# KiCad board pcb.kicad_pcb (continued)
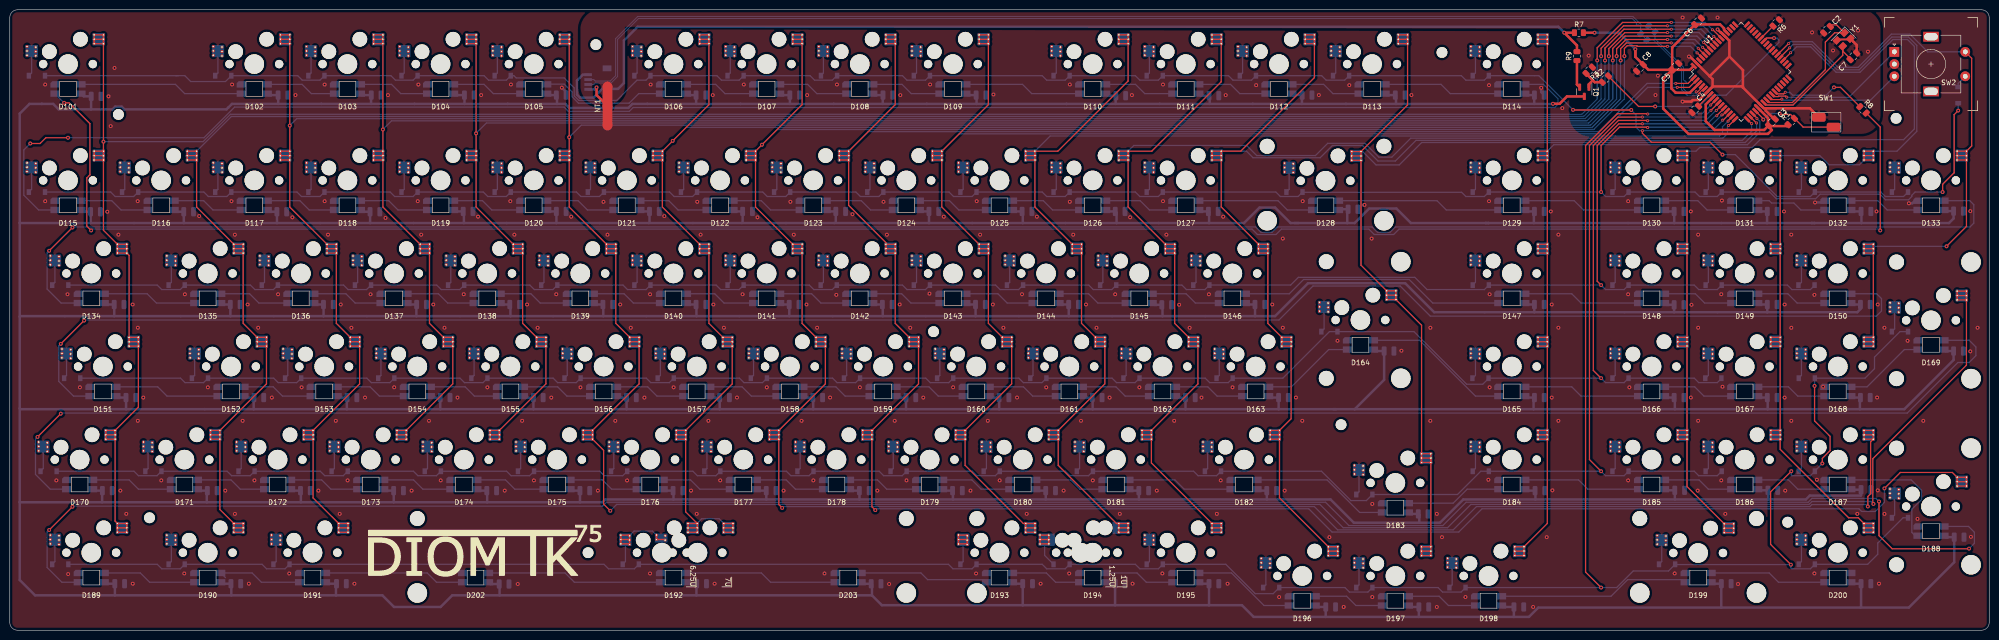
[diagram p0: board, top side]
## Routing (per net, layer and track width the routed paths; a pad name or vN(x,y) marks a point on that pad's centre or on a via; arc(x,y) is an arc through that point) (continued)
ROW1: length 460.2
  Top w0.254: v1(395.29,89.69) 395.29,91.28 397.64,93.63 397.64,105.54 v1(398.46,106.36) ; v2(350.14,105.47) 350.34,105.47 U1.13 ; v2(334.95,102.89) 334.88,102.97 329.19,102.97 325.44,99.22 v1(325.44,89.69)
  Bottom w0.254: v1(398.46,106.36) D201.1 ; v2(334.95,102.89) 335.02,102.96 347.63,102.96 v2(350.14,105.47) ; D15.1 20.64,89.69 21.55,88.78 25.34,88.78 D16.1 39.69,89.69 40.6,88.78 44.39,88.78 D17.1 58.74,89.69 59.65,88.78 63.44,88.78 D18.1 77.79,89.69 78.7,88.78 82.49,88.78 D19.1 96.84,89.69 97.75,88.78 101.54,88.78 D20.1 115.89,89.69 116.8,88.78 120.59,88.78 D21.1 134.94,89.69 135.85,88.78 139.64,88.78 D22.1 153.99,89.69 154.9,88.78 158.69,88.78 D23.1 173.04,89.69 173.95,88.78 177.74,88.78 D24.1 192.09,89.69 193,88.78 196.79,88.78 D25.1 211.14,89.69 212.05,88.78 215.84,88.78 D26.1 230.19,89.69 231.1,88.78 234.89,88.78 D27.1 258.92,89.69 259.84,88.78 263.46,88.78 D28.1 264.44,89.64 296.92,89.64 297.78,88.78 301.56,88.78 D29.1 v1(325.44,89.69) 326.35,88.78 330.14,88.78 D30.1 344.65,89.69 345.56,88.78 349.19,88.78 D31.1 359.9,89.69 361.26,88.33 369.32,88.33 370.24,89.25 382.46,89.25 383.61,88.11 388.3,88.11 388.97,88.78 388.97,89.02 389.65,89.69 v1(395.29,89.69)
ROW2: length 428.7
  Top w0.254: U1.12 349.1,105.36 v2(349.1,105.31) ; v2(333.88,103.66) 333.88,103.66 329.08,103.66 324.64,99.22 324.64,71.44 v1(325.44,70.64)
  Bottom w0.254: 369.16,70.64 368.24,69.73 364.45,69.73 363.54,70.64 D49.1 349.19,69.73 345.4,69.73 344.49,70.64 D48.1 330.14,69.73 326.35,69.73 v1(325.44,70.64) D47.1 301.56,69.73 289.84,69.73 287.34,72.23 263.53,72.23 261.95,70.65 245.34,70.65 D46.1 244.41,69.73 240.63,69.73 239.71,70.64 D45.1 225.36,69.73 221.58,69.73 220.66,70.64 D44.1 206.31,69.73 202.53,69.73 201.61,70.64 D43.1 187.26,69.73 183.48,69.73 182.56,70.64 D42.1 168.21,69.73 164.43,69.73 163.51,70.64 D41.1 149.16,69.73 145.38,69.73 144.46,70.64 D40.1 130.11,69.73 126.33,69.73 125.41,70.64 D39.1 111.06,69.73 107.28,69.73 106.36,70.64 D38.1 92.01,69.73 88.23,69.73 87.31,70.64 D37.1 72.96,69.73 69.18,69.73 68.26,70.64 D36.1 53.91,69.73 50.13,69.73 49.21,70.64 D35.1 34.86,69.73 31.08,69.73 30.16,70.64 D34.1 ; v2(349.1,105.31) 348.84,105.31 347.18,103.66 v2(333.88,103.66)
ROW3: length 433.3
  Top w0.254: v1(325.44,51.59) 323.85,53.18 323.85,99.22 328.98,104.35 334.88,104.35 v2(334.95,104.27) ; U1.11 349.02,106.41 v2(349,106.41)
  Bottom w0.254: 350.11,51.59 349.19,50.68 345.4,50.68 344.49,51.59 D66.1 330.14,50.68 326.35,50.68 v1(325.44,51.59) 302.48,51.59 301.24,50.35 297.94,50.35 287.17,61.12 D64.1 269.88,61.12 260.35,51.59 D63.1 249.18,50.68 245.39,50.68 244.48,51.59 D62.1 230.13,50.68 226.34,50.68 225.43,51.59 D61.1 211.08,50.68 207.29,50.68 206.38,51.59 D60.1 192.03,50.68 188.24,50.68 187.33,51.59 D59.1 172.98,50.68 169.19,50.68 168.28,51.59 D58.1 153.93,50.68 150.14,50.68 149.23,51.59 D57.1 134.88,50.68 131.09,50.68 130.18,51.59 D56.1 115.83,50.68 112.04,50.68 111.13,51.59 D55.1 96.78,50.68 92.99,50.68 92.08,51.59 D54.1 77.73,50.68 73.94,50.68 73.03,51.59 D53.1 58.68,50.68 54.89,50.68 53.98,51.59 D52.1 39.63,50.68 35.84,50.68 34.93,51.59 14.35,51.59 ; v2(334.95,104.27) 335.03,104.35 346.85,104.35 348.92,106.41 v2(349,106.41)
ROW4: length 453.9
  Top w0.254: v2(333.88,105.04) 328.87,105.04 323.06,99.22 323.06,34.93 v1(325.44,32.54) ; v2(347.9,106.41) 347.9,106.43 U1.10
  Bottom w0.254: D86.1 349.19,31.63 345.4,31.63 344.49,32.54 D85.1 330.14,31.63 326.35,31.63 v1(325.44,32.54) D84.1 300.83,32.54 296.07,27.78 D83.1 277.42,26.54 274.26,26.54 268.26,32.54 D82.1 246.8,31.63 243.01,31.63 242.09,32.54 D81.1 220.6,31.63 216.82,31.63 215.9,32.54 D80.1 201.55,31.63 197.77,31.63 196.85,32.54 D79.1 182.5,31.63 178.72,31.63 177.8,32.54 D78.1 163.45,31.63 159.75,31.63 158.83,32.54 D77.1 144.4,31.63 140.62,31.63 139.7,32.54 D76.1 125.35,31.63 121.57,31.63 120.65,32.54 D75.1 106.3,31.63 102.52,31.63 101.6,32.54 D74.1 87.25,31.63 83.47,31.63 82.55,32.54 D73.1 68.2,31.63 64.42,31.63 63.5,32.54 D72.1 49.15,31.63 45.37,31.63 44.45,32.54 D71.1 30.1,31.63 26.32,31.63 25.4,32.54 D70.1 ; v2(347.9,106.41) 346.52,105.04 v2(333.88,105.04)
ROW5: length 590.8
  Top w0.254: v2(334.95,105.65) 334.88,105.73 328.77,105.73 322.26,99.22 322.26,11.91 v1(325.44,8.73) ; v2(347.85,107.51) 347.85,107.51 U1.9 ; v1(369.09,50.01) 369.09,42.86 372.27,39.69 372.27,36.77 370.68,35.19 v1(370.68,34.13) ; v1(364.33,32.54) 360.1,28.31 360.1,17.57 v1(364.25,13.41)
  Bottom w0.254: D89.1 30.16,13.49 31.08,12.58 34.86,12.58 D90.1 51.59,13.49 52.51,12.58 56.3,12.58 D91.1 121.52,13.49 122.44,12.58 127.73,12.58 D92.1 191.96,13.49 192.88,12.58 196.79,12.58 D93.1 211.14,13.49 212.05,12.58 215.84,12.58 D94.1 230.19,13.49 231.1,12.58 234.89,12.58 D95.1 248.69,13.49 254.7,7.49 258.37,7.49 D96.1 273.05,8.73 273.97,7.81 277.75,7.81 D97.1 292.1,8.73 293.02,7.81 296.8,7.81 D98.1 v1(325.44,8.73) 328.61,8.73 332.01,12.13 339.22,12.13 D99.1 340.64,13.44 364.23,13.44 v1(364.25,13.41) 364.25,12.78 364.45,12.58 368.24,12.58 D100.1 379.95,13.49 382.02,15.56 382.02,17.84 387.19,23.02 D88.1 ; v2(347.85,107.51) 346.08,105.73 335.02,105.73 v2(334.95,105.65) ; D69.1 386.56,61.12 381.35,55.91 381.35,53.53 379.41,51.59 D68.1 369.09,51.53 v1(369.09,50.01) ; v1(370.68,34.13) 369.16,32.61 D87.1 368.24,31.63 364.45,31.63 364.33,31.75 v1(364.33,32.54)
Net-(C2-Pad1): length 29.1
  Top w0.25: C2.1 372.63,123.91 373.59,123.91 Y1.1 373.21,122.29 371.3,120.38 371.3,114.74 364.57,108.01 359.8,108.01 U1.24
Net-(C4-Pad1): length 3.4
  Top w0.254: C4.1 347.77,109.7 U1.7
Net-(C7-Pad1): length 25.6
  Top w0.25: 376.36,117.04 374.85,118.55 Y1.3 374.85,117.68 364.68,107.51 359.17,107.51 U1.23
Net-(D1-Pad2): length 5.3
  Bottom w0.25: D1.2 4.47,114.07 MX1.2
Net-(D2-Pad2): length 5.3
  Bottom w0.25: MX2.2 42.57,114.07 D2.2
Net-(D3-Pad2): length 5.3
  Bottom w0.25: D3.2 61.62,114.07 MX3.2
Net-(D4-Pad2): length 5.3
  Bottom w0.25: MX4.2 80.67,114.07 D4.2
Net-(D5-Pad2): length 5.3
  Bottom w0.25: D5.2 99.72,114.07 MX5.2
Net-(D6-Pad2): length 5.3
  Bottom w0.25: D6.2 128.29,114.07 MX6.2
Net-(D7-Pad2): length 5.3
  Bottom w0.25: MX7.2 147.34,114.07 D7.2
Net-(D8-Pad2): length 5.3
  Bottom w0.25: 165.83,113.51 166.39,114.07 MX8.2
Net-(D9-Pad2): length 5.3
  Bottom w0.25: D9.2 185.44,114.07 MX9.2
Net-(D10-Pad2): length 5.3
  Bottom w0.25: MX10.2 214.02,114.07 D10.2
Net-(D11-Pad2): length 5.3
  Bottom w0.25: MX11.2 233.07,114.07 D11.2
Net-(D12-Pad2): length 5.3
  Bottom w0.25: D12.2 252.12,114.07 MX12.2
Net-(D13-Pad2): length 5.3
  Bottom w0.25: D13.2 271.17,114.07 MX13.2
Net-(D14-Pad2): length 5.3
  Bottom w0.25: MX14.2 299.74,114.07 D14.2
Net-(D15-Pad2): length 5.3
  Bottom w0.25: MX15.2 4.47,90.25 D15.2
Net-(D16-Pad2): length 5.3
  Bottom w0.25: MX16.2 23.52,90.25 D16.2
Net-(D17-Pad2): length 5.3
  Bottom w0.25: MX17.2 42.57,90.25 D17.2
Net-(D18-Pad2): length 5.3
  Bottom w0.25: D18.2 61.62,90.25 MX18.2
Net-(D19-Pad2): length 5.3
  Bottom w0.25: MX19.2 80.67,90.25 D19.2
Net-(D20-Pad2): length 5.3
  Bottom w0.25: D20.2 99.72,90.25 MX20.2
Net-(D21-Pad2): length 5.3
  Bottom w0.25: D21.2 118.77,90.25 MX21.2
Net-(D22-Pad2): length 5.3
  Bottom w0.25: D22.2 137.82,90.25 MX22.2
Net-(D23-Pad2): length 5.3
  Bottom w0.25: MX23.2 156.87,90.25 D23.2
Net-(D24-Pad2): length 5.3
  Bottom w0.25: MX24.2 175.92,90.25 D24.2
Net-(D25-Pad2): length 5.3
  Bottom w0.25: MX25.2 194.97,90.25 D25.2
Net-(D26-Pad2): length 5.3
  Bottom w0.25: D26.2 214.02,90.25 MX26.2
Net-(D27-Pad2): length 5.3
  Bottom w0.25: MX27.2 233.07,90.25 D27.2
Net-(D28-Pad2): length 5.2
  Bottom w0.25: MX28.2 261.64,90.25 D28.2
Net-(D29-Pad2): length 5.3
  Bottom w0.25: D29.2 299.74,90.25 MX29.2
Net-(D30-Pad2): length 5.3
  Bottom w0.25: D30.2 328.32,90.25 MX30.2
Net-(D31-Pad2): length 5.3
  Bottom w0.25: D31.2 347.37,90.25 MX31.2
Net-(D32-Pad2): length 5.3
  Bottom w0.25: D32.2 366.42,90.25 MX32.2
Net-(D33-Pad2): length 5.3
  Bottom w0.25: D33.2 385.47,90.25 MX33.2
Net-(D34-Pad2): length 5.3
  Bottom w0.25: MX34.2 9.23,71.2 D34.2
Net-(D35-Pad2): length 5.3
  Bottom w0.25: D35.2 33.04,71.2 MX35.2
Net-(D36-Pad2): length 5.3
  Bottom w0.25: MX36.2 52.09,71.2 D36.2
Net-(D37-Pad2): length 5.3
  Bottom w0.25: MX37.2 71.14,71.2 D37.2
Net-(D38-Pad2): length 5.3
  Bottom w0.25: MX38.2 90.19,71.2 D38.2
Net-(D39-Pad2): length 5.3
  Bottom w0.25: D39.2 109.24,71.2 MX39.2
Net-(D40-Pad2): length 5.3
  Bottom w0.25: MX40.2 128.29,71.2 D40.2
Net-(D41-Pad2): length 5.3
  Bottom w0.25: D41.2 147.34,71.2 MX41.2
Net-(D42-Pad2): length 5.3
  Bottom w0.25: D42.2 166.39,71.2 MX42.2
Net-(D43-Pad2): length 5.3
  Bottom w0.25: D43.2 185.44,71.2 MX43.2
Net-(D44-Pad2): length 5.3
  Bottom w0.25: MX44.2 204.49,71.2 D44.2
Net-(D45-Pad2): length 5.3
  Bottom w0.25: D45.2 223.54,71.2 MX45.2
Net-(D46-Pad2): length 5.3
  Bottom w0.25: MX46.2 242.59,71.2 D46.2
Net-(D47-Pad2): length 5.3
  Bottom w0.25: D47.2 299.74,71.2 MX47.2
Net-(D48-Pad2): length 5.3
  Bottom w0.25: MX48.2 328.32,71.2 D48.2
Net-(D49-Pad2): length 5.3
  Bottom w0.25: MX49.2 347.37,71.2 D49.2
Net-(D50-Pad2): length 5.3
  Bottom w0.25: MX50.2 366.42,71.2 365.86,70.64
Net-(D51-Pad2): length 5.3
  Bottom w0.25: MX51.2 11.61,52.15 11.05,51.59
Net-(D52-Pad2): length 5.3
  Bottom w0.25: MX52.2 37.8,52.15 D52.2
Net-(D53-Pad2): length 5.3
  Bottom w0.25: MX53.2 56.85,52.15 D53.2
Net-(D54-Pad2): length 5.3
  Bottom w0.25: D54.2 75.9,52.15 MX54.2
Net-(D55-Pad2): length 5.3
  Bottom w0.25: D55.2 94.95,52.15 MX55.2
Net-(D56-Pad2): length 5.3
  Bottom w0.25: MX56.2 114,52.15 D56.2
Net-(D57-Pad2): length 5.3
  Bottom w0.25: MX57.2 133.05,52.15 D57.2
Net-(D58-Pad2): length 5.3
  Bottom w0.25: MX58.2 152.1,52.15 D58.2
Net-(D59-Pad2): length 5.3
  Bottom w0.25: MX59.2 171.15,52.15 D59.2
Net-(D60-Pad2): length 5.3
  Bottom w0.25: MX60.2 190.2,52.15 D60.2
Net-(D61-Pad2): length 5.3
  Bottom w0.25: MX61.2 209.25,52.15 D61.2
Net-(D62-Pad2): length 5.3
  Bottom w0.25: MX62.2 228.3,52.15 D62.2
Net-(D63-Pad2): length 5.3
  Bottom w0.25: D63.2 247.35,52.15 MX63.2
Net-(D64-Pad2): length 5.3
  Bottom w0.25: MX64.2 268.79,61.68 D64.2
Net-(D65-Pad2): length 5.3
  Bottom w0.25: MX65.2 299.74,52.15 299.18,51.59
Net-(D66-Pad2): length 5.3
  Bottom w0.25: D66.2 328.32,52.15 MX66.2
Net-(D67-Pad2): length 5.3
  Bottom w0.25: MX67.2 347.37,52.15 346.81,51.59
Net-(D68-Pad2): length 5.3
  Bottom w0.25: MX68.2 366.42,52.15 D68.2
Net-(D69-Pad2): length 5.2
  Bottom w0.25: D69.2 385.47,61.68 MX69.2
Net-(D70-Pad2): length 5.3
  Bottom w0.25: MX70.2 6.85,33.1 D70.2
Net-(D71-Pad2): length 5.3
  Bottom w0.25: D71.2 28.28,33.1 MX71.2
Net-(D72-Pad2): length 5.3
  Bottom w0.25: MX72.2 47.33,33.1 D72.2
Net-(D73-Pad2): length 5.3
  Bottom w0.25: MX73.2 66.38,33.1 D73.2
Net-(D74-Pad2): length 5.3
  Bottom w0.25: D74.2 85.43,33.1 MX74.2
Net-(D75-Pad2): length 5.3
  Bottom w0.25: D75.2 104.48,33.1 MX75.2
Net-(D76-Pad2): length 5.3
  Bottom w0.25: MX76.2 123.53,33.1 D76.2
Net-(D77-Pad2): length 5.3
  Bottom w0.25: D77.2 142.58,33.1 MX77.2
Net-(D78-Pad2): length 5.3
  Bottom w0.25: MX78.2 161.63,33.1 D78.2
Net-(D79-Pad2): length 5.3
  Bottom w0.25: D79.2 180.68,33.1 MX79.2
Net-(D80-Pad2): length 5.3
  Bottom w0.25: MX80.2 199.73,33.1 D80.2
Net-(D81-Pad2): length 5.3
  Bottom w0.25: MX81.2 218.78,33.1 D81.2
Net-(D82-Pad2): length 5.3
  Bottom w0.25: D82.2 244.97,33.1 MX82.2
Net-(D83-Pad2): length 5.3
  Bottom w0.25: MX83.2 275.93,28.34 D83.2
Net-(D84-Pad2): length 5.3
  Bottom w0.25: D84.2 299.74,33.1 MX84.2
Net-(D85-Pad2): length 5.3
  Bottom w0.25: MX85.2 328.32,33.1 D85.2
Net-(D86-Pad2): length 5.3
  Bottom w0.25: MX86.2 347.37,33.1 D86.2
Net-(D87-Pad2): length 5.3
  Bottom w0.25: MX87.2 366.42,33.1 D87.2
Net-(D88-Pad2): length 5.2
  Bottom w0.25: D88.2 385.47,23.58 MX88.2
Net-(D89-Pad2): length 5.3
  Bottom w0.25: D89.2 9.23,14.05 MX89.2
Net-(D90-Pad2): length 5.3
  Bottom w0.25: MX90.2 33.04,14.05 D90.2
Net-(D91-Pad2): length 5.3
  Bottom w0.25: D91.2 54.47,14.05 MX91.2
Net-(D92-Pad2): length 25.8
  Top w0.254: MX92.2 126.63,18.57 MX92.2 ; MX92.2 133.92,18.57 MX92.2 MX92.2 ; MX92.2 MX92.2 126.63,19.47 MX92.2 MX92.2 126.63,17.67 MX92.2
  Bottom w0.254: D92.2 125.91,14.05 MX92.2 127.67,20.29 131.44,20.29 133.2,18.54
Net-(D93-Pad2): length 14.4
  Top w0.254: MX93.2 195.69,18.57 MX93.2 ; MX93.2 MX93.2 195.69,17.67 MX93.2 MX93.2 195.69,19.47 MX93.2
  Bottom w0.254: D93.2 194.97,14.05 MX93.2
Net-(D94-Pad2): length 14.8
  Top w0.254: 210.7,18.57 212.44,18.57 MX94.2 ; MX94.2 MX94.2 210.7,19.47 210.7,17.67 MX94.2
  Bottom w0.25: D94.2 211.64,15.32 211.64,18.54
Net-(D95-Pad2): length 5.3
  Bottom w0.25: D95.2 233.07,14.05 MX95.2
Net-(D96-Pad2): length 5.3
  Bottom w0.25: D96.2 256.88,9.29 MX96.2
Net-(D97-Pad2): length 5.3
  Bottom w0.25: MX97.2 275.93,9.29 D97.2
Net-(D98-Pad2): length 5.3
  Bottom w0.25: D98.2 294.98,9.29 MX98.2
Net-(D99-Pad2): length 5.2
  Bottom w0.25: D99.2 337.84,14.05 MX99.2
Net-(D100-Pad2): length 5.3
  Bottom w0.25: MX100.2 366.42,14.05 D100.2
Net-(D101-Pad2): length 33.5
  Bottom w0.254: D102.4 35.77,109.84 33.87,111.73 D101.2
Net-(D101-Pad4): length 425.4
  Top w0.254: v1(16.64,81.83) 15.75,82.72 15.75,92.57 16.38,93.21 16.38,103.69 12.13,107.95 v1(11.11,107.95) ; R8.2 382.52,102.99 v1(382.52,81.83)
  Bottom w0.254: D101.4 9.23,109.83 v1(11.11,107.95) ; v1(382.52,81.83) 382.25,82.11 284.12,82.11 283.01,81.01 279.04,81.01 277.94,82.11 260.05,82.11 258.95,81.01 255.15,81.01 254.05,82.11 16.91,82.11 v1(16.64,81.83)
Net-(D102-Pad2): length 14.5
  Bottom w0.254: D103.4 61.68,109.84 59.78,111.73 D102.2
Net-(D103-Pad2): length 14.5
  Bottom w0.254: D104.4 79.96,109.84 78.07,111.73 D103.2
Net-(D104-Pad2): length 14.5
  Bottom w0.254: D105.4 98.89,109.84 96.99,111.73 D104.2
Net-(D105-Pad2): length 26.2
  Bottom w0.254: D105.2 109.88,111.78 113.38,111.78 114.99,110.17 114.99,109.19 116.3,107.89 126.67,107.89 128.62,109.84 D106.4
Net-(D106-Pad2): length 14.5
  Bottom w0.254: D107.4 146.26,109.84 144.36,111.73 D106.2
Net-(D107-Pad2): length 14.5
  Bottom w0.254: D108.4 165.05,109.84 163.16,111.73 D107.2
Net-(D108-Pad2): length 14.5
  Bottom w0.254: D108.2 182.46,111.73 184.36,109.84 D109.4
Net-(D109-Pad2): length 24
  Bottom w0.254: D110.4 209,109.84 207.1,111.73 D109.2
Net-(D110-Pad2): length 14.5
  Bottom w0.254: D110.2 230.22,111.73 232.11,109.84 D111.4
Net-(D111-Pad2): length 14.5
  Bottom w0.254: D112.4 251.54,109.84 249.65,111.73 D111.2
Net-(D112-Pad2): length 14.5
  Bottom w0.254: D113.4 270.59,109.84 268.7,111.73 D112.2
Net-(D113-Pad2): length 24
  Bottom w0.254: D114.4 294.59,109.84 292.7,111.73 D113.2
Net-(D114-Pad2): length 344.3
  Top w0.254: v1(4.19,99.63) 6.2,99.63 7.38,100.81 v1(11.91,100.81)
  Bottom w0.254: v1(4.19,99.63) 2.87,98.31 2.87,89.04 5.89,86.03 D115.4 ; v1(11.91,100.81) 39.71,100.81 45.98,107.08 113.37,107.08 114.23,106.21 126.7,106.21 127.49,107 315.98,107 316.61,107.63 316.61,108.77 313.65,111.73 D114.2
Net-(D115-Pad2): length 14.5
  Bottom w0.254: D116.4 22.75,86.03 20.86,87.92 D115.2
Net-(D116-Pad2): length 14.5
  Bottom w0.254: D117.4 41.55,86.03 39.65,87.92 D116.2
Net-(D117-Pad2): length 14.5
  Bottom w0.254: D117.2 59.34,87.92 61.23,86.03 D118.4
Net-(D118-Pad2): length 14.5
  Bottom w0.254: D119.4 79.39,86.03 77.5,87.92 D118.2
Net-(D119-Pad2): length 14.5
  Bottom w0.254: D120.4 98.57,86.03 96.67,87.92 D119.2
Net-(D120-Pad2): length 14.5
  Bottom w0.254: D121.4 118.13,86.03 116.23,87.92 D120.2
Net-(D121-Pad2): length 14.5
  Bottom w0.254: D122.4 136.67,86.03 134.77,87.92 D121.2
Net-(D122-Pad2): length 14.5
  Bottom w0.254: D122.2 153.7,87.92 155.59,86.03 D123.4
Net-(D123-Pad2): length 14.5
  Bottom w0.254: D123.2 174.14,87.92 176.04,86.03 D124.4
Net-(D124-Pad2): length 14.5
  Bottom w0.254: D125.4 194.07,86.03 192.18,87.92 D124.2
Net-(D125-Pad2): length 14.5
  Bottom w0.254: D125.2 211.36,87.92 213.25,86.03 D126.4
Net-(D126-Pad2): length 14.5
  Bottom w0.254: D127.4 233.06,86.03 231.17,87.92 D126.2
Net-(D127-Pad2): length 24
  Bottom w0.254: D127.2 259.36,87.92 261.26,86.03 D128.4
Net-(D128-Pad2): length 33.5
  Bottom w0.254: D128.2 291.87,87.92 293.77,86.03 D129.4
Net-(D129-Pad2): length 24
  Bottom w0.254: D130.4 321.84,86.03 319.94,87.92 D129.2
Net-(D130-Pad2): length 14.5
  Bottom w0.254: D130.2 345.21,87.92 347.11,86.03 D131.4
Net-(D131-Pad2): length 14.5
  Bottom w0.254: D131.2 359.82,87.92 360.3,87.44 364.87,87.44 366.29,86.03 D132.4
Net-(D132-Pad2): length 14.5
  Bottom w0.254: D132.2 382.04,87.92 383.94,86.03 D133.4
Net-(D133-Pad2): length 423.5
  Top w0.254: v1(12.82,82.43) v1(8.05,77.67)
  Bottom w0.254: D133.2 400.84,87.92 401.66,87.1 401.66,83.33 400.88,82.55 283.37,82.55 282.27,81.45 279.71,81.45 278.61,82.55 259.23,82.55 258.13,81.45 255.89,81.45 254.79,82.55 12.93,82.55 v1(12.82,82.43) ; v1(8.05,77.67) 7.64,77.25 7.64,69.83 10.5,66.98 D134.4
Net-(D134-Pad2): length 19.2
  Bottom w0.254: D134.2 28.09,68.87 29.99,66.98 D135.4
Net-(D135-Pad2): length 14.5
  Bottom w0.254: D135.2 49.05,68.87 50.94,66.98 D136.4
Net-(D136-Pad2): length 14.5
  Bottom w0.254: D136.2 68.73,68.87 70.63,66.98 D137.4
Net-(D137-Pad2): length 14.5
  Bottom w0.254: D138.4 89.55,66.98 87.66,68.87 D137.2
Net-(D138-Pad2): length 14.5
  Bottom w0.254: D138.2 106.58,68.87 108.48,66.98 D139.4
Net-(D139-Pad2): length 14.5
  Bottom w0.254: D139.2 125.63,68.87 127.53,66.98 D140.4
Net-(D140-Pad2): length 14.5
  Bottom w0.254: D141.4 146.07,66.98 144.17,68.87 D140.2
Net-(D141-Pad2): length 14.5
  Bottom w0.254: D141.2 163.98,68.87 165.88,66.98 D142.4
Net-(D142-Pad2): length 14.5
  Bottom w0.254: D143.4 184.29,66.98 182.4,68.87 D142.2
Net-(D143-Pad2): length 14.5
  Bottom w0.254: D144.4 203.98,66.98 202.08,68.87 D143.2
Net-(D144-Pad2): length 14.5
  Bottom w0.254: D144.2 220.63,68.87 222.52,66.98 D145.4
Net-(D145-Pad2): length 14.5
  Bottom w0.254: D145.2 240.57,68.87 242.46,66.98 D146.4
Net-(D146-Pad2): length 55
  Bottom w0.254: D146.2 261.67,68.87 264.59,71.79 286.19,71.79 291.01,66.98 D147.4
Net-(D147-Pad2): length 24
  Bottom w0.254: D148.4 321.33,66.98 319.43,68.87 D147.2
Net-(D148-Pad2): length 14.5
  Bottom w0.254: D149.4 346.6,66.98 344.71,68.87 D148.2
Net-(D149-Pad2): length 14.5
  Bottom w0.254: D150.4 365.52,66.98 363.63,68.87 D149.2
Net-(D150-Pad2): length 404.9
  Top w0.254: v1(15.2,63.38) v1(10.44,58.62)
  Bottom w0.254: D150.2 381.79,68.87 382.78,67.88 382.78,65.34 381.73,64.29 290.51,64.29 284.35,70.46 266.51,70.46 259.56,63.5 15.32,63.5 v1(15.2,63.38) ; D151.4 13.03,47.93 10.02,50.94 10.02,58.2 v1(10.44,58.62)
Net-(D151-Pad2): length 21.6
  Bottom w0.254: D152.4 32.15,47.93 30.25,49.82 D151.2
Net-(D152-Pad2): length 14.5
  Bottom w0.254: D153.4 55.77,47.93 53.88,49.82 D152.2
Net-(D153-Pad2): length 14.5
  Bottom w0.254: D154.4 75.58,47.93 73.69,49.82 D153.2
Net-(D154-Pad2): length 14.5
  Bottom w0.254: D155.4 95.01,47.93 93.12,49.82 D154.2
Net-(D155-Pad2): length 14.5
  Bottom w0.254: D156.4 113.94,47.93 112.04,49.82 D155.2
Net-(D156-Pad2): length 14.5
  Bottom w0.254: D157.4 132.35,47.93 130.46,49.82 D156.2
Net-(D157-Pad2): length 14.5
  Bottom w0.254: D158.4 151.66,47.93 149.76,49.82 D157.2
Net-(D158-Pad2): length 14.5
  Bottom w0.254: D159.4 170.83,47.93 168.94,49.82 D158.2
Net-(D159-Pad2): length 14.5
  Bottom w0.254: D159.2 187.99,49.82 189.88,47.93 D160.4
Net-(D160-Pad2): length 14.5
  Bottom w0.254: D161.4 209.19,47.93 207.29,49.82 D160.2
Net-(D161-Pad2): length 14.5
  Bottom w0.254: D162.4 228.11,47.93 226.21,49.82 D161.2
Net-(D162-Pad2): length 14.5
  Bottom w0.254: D163.4 246.91,47.93 245.01,49.82 D162.2
Net-(D163-Pad2): length 19.2
  Bottom w0.254: D163.2 262.1,49.82 269.73,57.45 D164.4
Net-(D164-Pad2): length 30.3
  Bottom w0.254: D165.4 299.74,47.93 288.32,59.35 D164.2
Net-(D165-Pad2): length 24
  Bottom w0.254: D165.2 319.43,49.82 321.33,47.93 D166.4
Net-(D166-Pad2): length 14.5
  Bottom w0.254: D166.2 344.58,49.82 346.47,47.93 D167.4
Net-(D167-Pad2): length 14.5
  Bottom w0.254: D168.4 365.65,47.93 363.76,49.82 D167.2
Net-(D168-Pad2): length 16.9
  Bottom w0.254: D168.2 379.83,49.82 387.46,57.45 D169.4
Net-(D169-Pad2): length 427.6
  Top w0.254: v1(10.44,44.33) v1(5.67,39.57)
  Bottom w0.254: v1(10.44,44.33) 10.55,44.45 388.05,44.45 398.4,54.8 400.69,54.8 402.08,56.2 402.08,57.98 400.71,59.35 D169.2 ; D170.4 8.27,28.88 5.26,31.89 5.26,39.15 v1(5.67,39.57)
Net-(D170-Pad2): length 16.9
  Bottom w0.254: D171.4 26.31,28.88 24.41,30.77 D170.2
Net-(D171-Pad2): length 14.5
  Bottom w0.254: D171.2 45.24,30.77 47.13,28.88 D172.4
Net-(D172-Pad2): length 14.5
  Bottom w0.254: D172.2 63.78,30.77 65.68,28.88 D173.4
Net-(D173-Pad2): length 14.5
  Bottom w0.254: D173.2 82.58,30.77 84.47,28.88 D174.4
Net-(D174-Pad2): length 14.5
  Bottom w0.254: D174.2 101.37,30.77 103.27,28.88 D175.4
Net-(D175-Pad2): length 14.5
  Bottom w0.254: D176.4 123.08,28.88 121.19,30.77 D175.2
Net-(D176-Pad2): length 14.5
  Bottom w0.254: D176.2 139.22,30.77 141.11,28.88 D177.4
Net-(D177-Pad2): length 14.5
  Bottom w0.254: D177.2 158.78,30.77 160.67,28.88 D178.4
Net-(D178-Pad2): length 14.5
  Bottom w0.254: D178.2 177.45,30.77 179.34,28.88 D179.4
Net-(D179-Pad2): length 14.5
  Bottom w0.254: D180.4 198.65,28.88 196.75,30.77 D179.2
Net-(D180-Pad2): length 14.5
  Bottom w0.254: D180.2 216.94,30.77 218.84,28.88 D181.4
Net-(D181-Pad2): length 21.6
  Bottom w0.254: D182.4 240.17,28.88 238.28,30.77 D181.2
Net-(D182-Pad2): length 28.4
  Bottom w0.254: D183.4 276.06,24.11 269.4,30.77 D182.2
Net-(D183-Pad2): length 19.7
  Bottom w0.254: D184.4 298.05,28.88 295.18,26.01 D183.2
Net-(D184-Pad2): length 24
  Bottom w0.254: D184.2 320.83,30.77 322.72,28.88 D185.4
Net-(D185-Pad2): length 14.5
  Bottom w0.254: D185.2 345.47,30.77 347.36,28.88 D186.4
Net-(D186-Pad2): length 14.5
  Bottom w0.254: D186.2 363.76,30.77 365.65,28.88 D187.4
Net-(D187-Pad2): length 26.3
  Bottom w0.254: D187.2 388.85,30.77 390.97,28.65 390.97,26.75 388.99,24.77 388.99,20.01 389.65,19.35 D188.4
Net-(D188-Pad2): length 433.6
  Top w0.254: v1(382.27,26.35) 382.27,19.37 384.97,16.67 400.65,16.67 v1(400.69,16.7) ; v1(12.82,25.28) v1(8.05,20.52)
  Bottom w0.254: v1(400.69,16.7) 401.78,17.8 401.78,20.05 400.59,21.25 D188.2 ; v1(8.05,20.52) 7.64,20.1 7.64,12.84 10.65,9.83 D189.4 ; v1(382.27,26.35) 381.64,26.99 368.57,26.99 367.77,26.19 297.83,26.19 293.06,21.43 273.84,21.43 269.08,26.19 122.02,26.19 121.22,25.4 12.93,25.4 v1(12.82,25.28)
Net-(D189-Pad2): length 19.2
  Bottom w0.254: D190.4 28.59,9.83 26.7,11.72 D189.2
Net-(D190-Pad2): length 18.2
  Bottom w0.254: 44.1,10.77 D190.2 49.56,11.72 51.45,9.83 D191.4
Net-(D191-Pad2): length 28.8
  Bottom w0.254: D191.2 85.37,11.72 87.27,9.83 D202.4
Net-(D192-Pad2): length 31.2
  Bottom w0.254: D192.2 153.7,11.72 155.59,9.83 D203.4
Net-(D192-Pad4): length 35.9
  Bottom w0.254: 97.93,11.72 113.57,11.72 115.46,9.83 D192.4
Net-(D193-Pad2): length 14.5
  Bottom w0.254: D193.2 211.99,11.72 213.89,9.83 D194.4
Net-(D193-Pad4): length 26.4
  Bottom w0.254: 174.13,11.72 186.34,11.72 187.71,10.35 199.21,10.35 D193.4
Net-(D194-Pad2): length 14.5
  Bottom w0.254: D195.4 232.43,9.83 230.53,11.72 D194.2
Net-(D195-Pad2): length 21.2
  Bottom w0.254: D196.4 256.49,5.06 249.84,11.72 D195.2
Net-(D196-Pad2): length 14.5
  Bottom w0.254: D197.4 275.29,5.06 273.4,6.96 266.99,6.96
Net-(D197-Pad2): length 14.5
  Bottom w0.254: 286.04,6.96 292.32,6.96 294.21,5.06 D198.4
Net-(D198-Pad2): length 39.1
  Bottom w0.254: D199.4 342.08,10.35 330.86,10.35 327.47,6.96 305.09,6.96
Net-(D199-Pad2): length 24
  Bottom w0.254: D200.4 361.71,9.83 359.82,11.72 D199.2
Net-(D201-Pad2): length 2.8
  Bottom w0.254: SW2.S1 398.46,111.94 D201.2
Net-(J2-Pad4): length 6.6
  Top w0.508: v1(120,111.11) 120,109.55 NT1.2
  Bottom w0.508: 118.28,110.71 119.6,110.71 v1(120,111.11)
Net-(Q1-Pad1): length 5.8
  Top w0.508: R2.1 324.15,112.17 323.75,112.57 ; 323.75,112.57 R3.2 ; 323.75,112.57 322.95,111.76 Q1.1
Net-(Q1-Pad2): length 5.7
  Top w0.508: R9.1 320.5,111.7 Q1.2
Net-(R1-Pad2): length 18.9
  Top w0.254: v1(361.95,105.76) 362.15,105.57 364.18,105.57 366.77,102.98 SW1.2 ; v1(358.6,104.51) 358.6,104.68 U1.20
  Top w0.508: 364.73,105.02 R1.2
  Bottom w0.254: v1(361.95,105.76) 359.85,105.76 v1(358.6,104.51)
Net-(R2-Pad2): length 47
  Top w0.254: v1(336.5,107.21) 333.1,107.21 326.95,113.37 R2.2 ; U1.42 359.29,121.21 v1(360.8,121.21)
  Bottom w0.254: v1(360.8,121.21) 361.4,121.21 361.8,120.81 361.8,120.31 351,109.51 347.8,109.51 345.5,107.21 v1(336.5,107.21)
Net-(R6-Pad2): length 3.5
  Top w0.254: U1.43 358.11,121.17 R6.2

## Copper pours and planes (outline as drawn; the poured copper is in the pictures)
GND on Top, Bottom: 406.1,-1.49 -1.9,-1.49 -1.9,128.51 406.1,128.51
GNDREF on Top, Bottom: 382.59,127.79 382.59,101.6 319.4,101.51 319.5,123.11 125.8,123.51 125.8,107.41 116.7,107.41 116.7,127.71 125.7,127.71
